# Altium PCB TMC4671-EVAL_V1_1.PcbDoc (part 2 of 2)
Units mil, origin at the board's own origin, x right, y up, seen from the top; angles counter-clockwise.
Board outline 2165.36 x 3346.46 mil, 6 copper layers (Top, GND1, MID, VM, GND2, Bottom), stack 61.733 mil thick; 157 components, 127 nets, 622 pads, 423 vias.
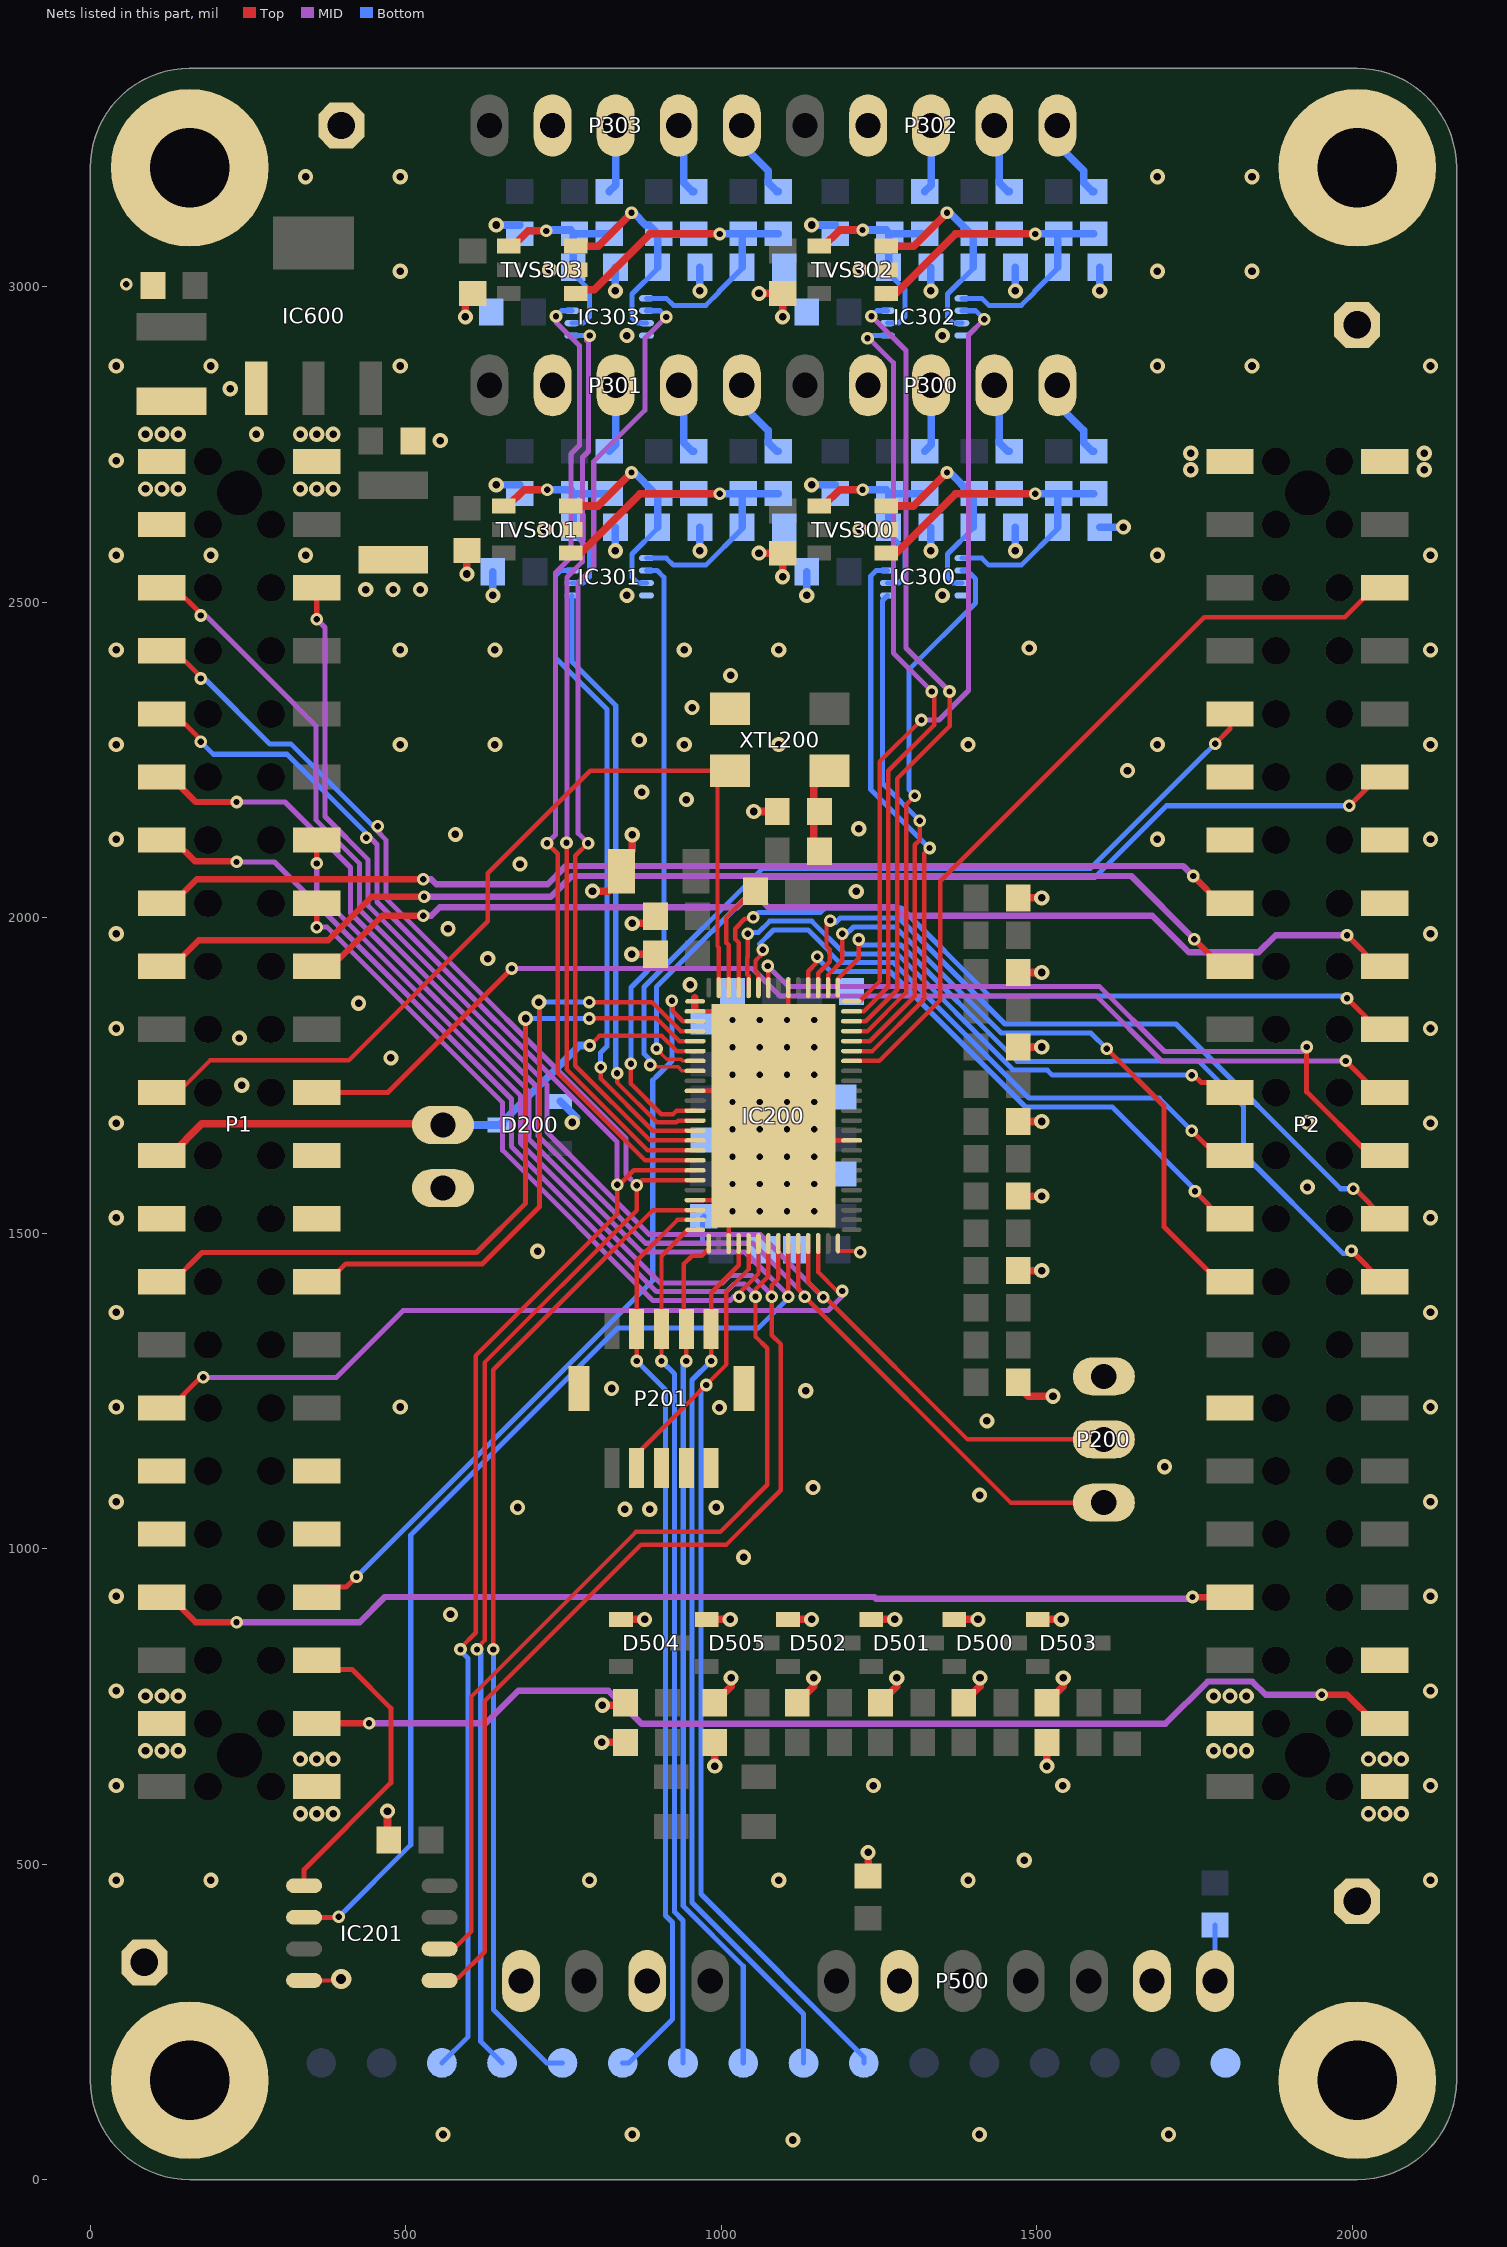
[diagram p6: the nets of this part, all layers, seen from the top]

## Via types
v1: diameter 24, hole 12, Top to Bottom, tented both sides, 171 vias
v2: diameter 20, hole 10, Top to Bottom, tented both sides, 136 vias
v3: diameter 24.1, hole 12, Top to Bottom, tented both sides, 67 vias
v4: diameter 24, hole 10, Top to Bottom, 32 vias
v5: diameter 26, hole 14, Top to Bottom, tented both sides, 7 vias
v6: diameter 32, hole 16, Top to Bottom, tented both sides, 6 vias
v7: diameter 39.37, hole 23.62, Top to Bottom, tented both sides, 2 vias
v8: diameter 50, hole 40, Top to Bottom, tented both sides, 2 vias

## Nets (pads, with @x,y where several pads share a name; then routed paths per layer and width w, separated by ;. In a path a pad name is that pad's centre, name@x,y a point inside that pad or via, vN(x,y) a via of type N, cw(c..) or ccw(c..) an arc to the next point about the centre after c; other vN are vias at no path point) (continued)
BRAKE_OUT: P400.2 R406.1 | length 88.6
  Bottom w8: P400.2@1782.68,314.96 R406.1@1782.68,403.6
CLK25: IC200.51 P1.23 XTL200.3 | length 1499.1
  Top w7.1: P1.23@113.5,1723.23 138.94,1723.23 189.73,1774.01 409.45,1774.01 629.92,1994.49 629.92,2070.52 792.53,2233.13 XTL200.3@986.5,2233.13 ; IC200.51@996.06,1901.99 996.06,1952.75 994.08,1954.74 994.08,2209.55 1001.53,2217 1002.62,2217 XTL200.3@986.5,2233.13 ; XTL200.3@1014.06,2233.13 XTL200.3@1013.82,2233.13 XTL200.3@986.5,2233.13
CS_CH0: IC201.1 P1.6 | length 487.1
  Top w8: IC201.1@339.01,465.94 339.01,491.76 476.38,629.13 476.38,747.24 414.97,808.65 373.52,808.65 P1.6@358.94,823.23
DBG_SPI_MISO: IC200.4 P201.9 TP9.1 | length 1402.5
  Top w7.1: v2(984.06,1297.62) P201.9@984.06,1348.47 984.06,1405.66 1027.56,1449.16 IC200.4@1027.56,1483.74
  Bottom w8: v2(984.06,1297.62) 953.76,1267.32 953.76,439.45 1130.45,262.77 TP9.1@1130.45,185.04
DBG_SPI_MOSI: IC200.1 P201.7 TP8.1 | length 1365.2
  Top w7.1: v2(944.69,1297.62) P201.7@944.69,1348.47 940.75,1352.41 940.75,1451.44 953.96,1464.65 969.38,1464.65 980.31,1475.59 IC200.1@980.31,1483.74
  Bottom w8: v2@939.76,1297.62 939.76,433.66 1034.91,338.51 TP8.1@1034.91,185.04
DBG_SPI_nSCS: IC200.75 P201.3 TP6.1 | length 1458.3
  Top w7.1: v2(865.95,1297.62) P201.3@865.95,1348.47 ; P201.3@869.95,1352.47 P201.3@865.95,1348.47 ; IC200.75@958.66,1521.15 930.55,1521.15 865.95,1456.55 P201.3@865.95,1348.47
  Bottom w8: TP6.1@843.83,185.04 853.26,185.04 922.68,254.45 922.68,407.79 911.76,418.71 911.76,1251.81 v2(865.95,1297.62)
DBG_SPI_SCK: IC200.76 P201.5 TP7.1 | length 1369
  Top w7.1: v2(905.32,1297.62) P201.5@905.32,1348.47 ; P201.5@909.32,1352.47 P201.5@905.32,1348.47 ; IC200.76@958.66,1505.4 947.13,1505.4 905.32,1463.59 P201.5@905.32,1348.47
  Bottom w8: v2(905.32,1297.62) 925.76,1277.18 925.76,424.5 939.37,410.9 TP7.1@939.37,185.04
DBG_SPI_TRG: IC200.5 P201.4 TP10.1 | length 1614.2
  Top w7.1: P201.4@865.95,1127.99 865.95,1149.73 1008.3,1292.08 1008.3,1407.73 1043.31,1442.74 IC200.5@1043.31,1483.74
  Bottom w8: v2(976.06,1259.65) 967.76,1251.36 967.76,452.71 1225.98,194.48 TP10.1@1225.98,185.04
DIO1: P1.9
DIO2: P1.10
DIO3: P1.11
DIO4: P1.12
DIO8: P1.19
DIO9: P1.20
DIO11: P1.22
DRV_ERROR: P2.13
EN_IN: IC200.55 P1.8 | length 1255.7
  Top w7.1: v2(921.85,1868.62) 923.12,1867.35 923.12,1851.98 938.99,1836.11 IC200.55@958.66,1836.11
  Top w8: P1.8@358.94,923.23 374.94,939.23 405.37,939.23 v2(421.85,955.7)
  Bottom w8: v2(421.85,955.7) 891.45,1425.31 891.45,1742.64 899.68,1750.87 921.85,1773.03 v2(921.85,1868.62)
EN_OUT: IC200.32 P2.40 | length 1266
  Top w7.1: IC200.32@1206.69,1773.11 1250.29,1773.11 1346.94,1869.76 1346.94,2057.76 1765.56,2476.38 1988.19,2476.38 2035.04,2523.23 P2.40@2051.85,2523.23
ENC1_A: IC200.35 IC300.2 | length 835.2
  Top w7.1: IC200.35@1219.43,1820.42 1231.82,1820.42 1292.94,1881.54 1292.94,2179.43 1306.85,2193.34 v2(1306.85,2193.62)
  Bottom w8: v2(1306.85,2193.62) 1297.3,2203.16 1297.3,2393.08 1403.31,2499.08 1403.31,2536.89 1394.57,2545.63 1393.65,2545.63 1388.88,2550.39 IC300.2@1381.5,2550.39
ENC1_A_5V: C308.2 IC300.6 R302.1 R312.1 TVS300.4 | length 355.3
  Top w12: TVS300.4@1155.12,2652.76 1162.01,2652.76 1187.59,2678.33 v2(1224.01,2678.33)
  Bottom w8: IC300.6@1263.39,2530.71 1281.1,2530.71 1290.94,2540.55 1290.94,2583.86 1265.35,2609.45 C308.2@1265.35,2619.29
  Bottom w12: v2(1224.01,2678.33) 1261.43,2678.33 R312.1@1267.32,2672.44 ; C308.2@1265.35,2619.29 1265.35,2670.47 R312.1@1267.32,2672.44 ; R302.1@1322.44,2672.44 R312.1@1267.32,2672.44
ENC1_A_IN: P300.3 R302.2 | length 109
  Bottom w12: R302.2@1322.44,2739.37 1332.68,2749.61 P300.3@1332.68,2844.09
ENC1_B: IC200.34 IC300.5 | length 783
  Top w7.1: IC200.34@1219.43,1804.61 1235.6,1804.61 1306.94,1875.95 1306.94,2115.7 1314.49,2123.25 v2(1314.49,2154.02)
  Bottom w8: IC300.5@1263.39,2511.02 1255.43,2503.07 1255.43,2213.08 v2(1314.49,2154.02)
ENC1_B_5V: C312.2 IC300.3 R301.1 R316.1 TVS300.3 | length 405.6
  Top w12: TVS300.3@1261.42,2652.76 1304.73,2652.76 v2(1357.87,2705.89)
  Bottom w8: IC300.3@1381.5,2530.71 1367.72,2530.71 1358.68,2539.74 1358.68,2576.8 C312.2@1399.21,2617.32
  Bottom w12: v2(1357.87,2705.89) 1361.8,2705.89 1395.26,2672.44 R316.1@1401.18,2672.44 ; C312.2@1399.21,2619.29 1399.21,2670.47 R316.1@1401.18,2672.44 ; R301.1@1456.3,2672.44 R316.1@1401.18,2672.44
ENC1_B_IN: P300.2 R301.2 | length 115.7
  Bottom w12: P300.2@1432.68,2844.09 1440.65,2836.13 1440.65,2753.06 1454.33,2739.37 R301.2@1456.3,2739.37
ENC1_N: IC200.33 IC300.7 | length 879.6
  Top w7.1: IC200.33@1219.43,1788.86 1239.65,1788.86 1321.85,1871.05 1321.85,2102.32 v2(1330.24,2110.72)
  Bottom w8: IC300.7@1263.39,2550.39 1245.67,2550.39 1236.98,2541.71 1236.98,2203.24 1329.51,2110.72 v2(1330.24,2110.72)
ENC1_N_5V: C316.2 IC300.1 R300.1 R320.1 TVS300.1 | length 604.3
  Top w12: TVS300.1@1261.42,2577.95 1277.17,2577.95 1371.31,2672.09 v2(1497.68,2672.09)
  Bottom w8: IC300.1@1381.5,2570.08 1413,2570.08 1424.18,2558.89 1475.67,2558.89 1533.07,2616.29 C316.2@1533.07,2619.29
  Bottom w12: v2(1497.68,2672.09) R320.1@1534.69,2672.09 ; C316.2@1533.07,2619.29 1533.07,2670.47 R320.1@1534.69,2672.09 ; R300.1@1590.16,2672.44 R320.1@1535.04,2672.44 R320.1@1534.69,2672.09
ENC1_N_IN: P300.1 R300.2 | length 129.7
  Bottom w12: P300.1@1532.68,2844.09 1532.68,2814.09 1574.41,2772.36 1574.41,2753.15 1588.19,2739.37 R300.2@1590.16,2739.37
ENC2_A: IC200.64 IC301.2 | length 980.4
  Top w7.1: v2(856.85,1768.62) 856.85,1736.98 905.06,1688.76 923.55,1688.76 929.16,1694.37 IC200.64@958.66,1694.37
  Bottom w8: v2(856.85,1768.62) 856.85,1889.52 908.98,1941.65 908.98,2539.85 898.43,2550.39 IC301.2@881.5,2550.39
ENC2_A_5V: C309.2 IC301.6 R305.1 R313.1 TVS301.4 | length 355.3
  Top w12: TVS301.4@655.12,2652.76 662.01,2652.76 687.59,2678.33 v2(724.01,2678.33)
  Bottom w8: IC301.6@763.39,2530.71 781.1,2530.71 790.94,2540.55 790.94,2583.86 765.35,2609.45 C309.2@765.35,2619.29
  Bottom w12: v2(724.01,2678.33) 761.43,2678.33 R313.1@767.32,2672.44 ; C309.2@765.35,2619.29 765.35,2670.47 R313.1@767.32,2672.44 ; R305.1@822.44,2672.44 R313.1@767.32,2672.44
ENC2_A_IN: P301.3 R305.2 | length 109
  Bottom w12: R305.2@822.44,2739.37 832.68,2749.61 P301.3@832.68,2844.09
ENC2_B: IC200.65 IC301.5 | length 952.8
  Top w7.1: v2(834.94,1753.76) 834.94,1739.08 898.36,1675.66 928.97,1675.66 931.93,1678.61 IC200.65@958.66,1678.63
  Bottom w8: IC301.5@763.39,2511.02 763.39,2405.88 832.85,2336.42 832.85,1755.85 v2(834.94,1753.76)
ENC2_B_5V: C313.2 IC301.3 R304.1 R317.1 TVS301.3 | length 405.6
  Top w12: TVS301.3@761.42,2652.76 804.73,2652.76 v2(857.87,2705.89)
  Bottom w8: IC301.3@881.5,2530.71 867.72,2530.71 858.68,2539.74 858.68,2576.8 C313.2@899.21,2617.32
  Bottom w12: v2(857.87,2705.89) 861.8,2705.89 895.26,2672.44 R317.1@901.18,2672.44 ; C313.2@899.21,2619.29 899.21,2670.47 R317.1@901.18,2672.44 ; R304.1@956.3,2672.44 R317.1@901.18,2672.44
ENC2_B_IN: P301.2 R304.2 | length 115.7
  Bottom w12: P301.2@932.68,2844.09 940.65,2836.13 940.65,2753.06 954.33,2739.37 R304.2@956.3,2739.37
ENC2_N: IC200.66 IC301.7 | length 1048.6
  Top w7.1: v2(808.94,1763.23) 808.94,1745.28 891.66,1662.56 934.4,1662.56 934.65,1662.82 IC200.66@958.66,1662.88 IC200.66@958.66,1662.88
  Bottom w8: IC301.7@763.39,2550.39 745.67,2550.39 736.98,2541.71 736.98,2412.48 818.85,2330.62 818.85,1796.34 808.94,1786.43 v2(808.94,1763.23)
ENC2_N_5V: C317.2 IC301.1 R303.1 R321.1 TVS301.1 | length 604.3
  Top w12: TVS301.1@761.42,2577.95 777.17,2577.95 871.31,2672.09 v2(997.68,2672.09)
  Bottom w8: IC301.1@881.5,2570.08 913,2570.08 924.18,2558.89 975.67,2558.89 1033.07,2616.29 C317.2@1033.07,2619.29
  Bottom w12: v2(997.68,2672.09) R321.1@1034.69,2672.09 ; C317.2@1033.07,2619.29 1033.07,2670.47 R321.1@1034.69,2672.09 ; R303.1@1090.16,2672.44 R321.1@1035.04,2672.44 R321.1@1034.69,2672.09
ENC2_N_IN: P301.1 R303.2 | length 129.7
  Bottom w12: P301.1@1032.68,2844.09 1032.68,2814.09 1074.41,2772.36 1074.41,2753.15 1088.19,2739.37 R303.2@1090.16,2739.37
EXT_REF: P2.6
GND: C200.2 C201.1 C300.1 C301.1 C302.1 C303.1 C304.2 C305.2 C306.2 C307.2 C308.1 C309.1 C310.1 C311.1 C312.1 C313.1 C314.1 C315.1 C316.1 C317.1 C318.1 C319.1 C320.1 C321.1 C322.1 C323.1 C500.1 C501.1 C502.1 C503.1 C504.1 C505.1 C506.1 C507.1 C508.1 C600.1 C601.1 C602.1 C603.1 C604.1 C605.1 C606.1 C607.1 C608.1 C609.1 C610.1 C611.1 C612.1 C613.1 C614.2 C615.1 D200.1 D500.1 D501.1 D502.1 D503.1 D504.1 D505.1 IC200.3 IC200.14 IC200.24 IC200.44 IC200.53 IC200.54 IC200.62 IC200.73 IC200.77 IC201.4 IC300.4 IC301.4 IC302.4 IC303.4 IC600.1 MNT1.1 MNT2.1 MNT3.1 MNT4.1 P1.2 P1.3 P1.43 P1.44 P2.2 P2.3 P2.43 P2.44 P200.1 P201.6 P201.8 P201.10 P201.11 P201.12 P202.2 P300.4 P301.4 P302.4 P303.4 P400.1 P500.4 P501.2 P502.2 PIN1.1 PIN2.1 PIN3.1 PIN4.1 R401.1 R403.1 R405.1 R408.1 R410.1 R507.2 R508.2 R509.2 TP14.1 TVS300.2 TVS301.2 TVS302.2 TVS303.2 XTL200.2 | length 3304.7
  Top w6: IC201.4@339.01,315.94 395.47,315.94 v6(397.64,318.11) ; IC200.77@988.25,1851.85 1082.68,1757.43 IC200.77@1082.68,1686.5 1122.05,1647.13 IC200.77@1178.1,1591.08 ; IC200.14@1185.04,1483.74 1185.04,1472.04 1220.57,1472.04 v2(1220.57,1470) v2@1220,1470
  Top w7.1: IC200.73@958.66,1552.64 IC200.77@988.25,1552.64 ; IC200.54@958.66,1851.85 IC200.77@988.25,1851.85 ; IC200.62@971.39,1725.87 IC200.77@1043.31,1725.87 ; IC200.3@1011.81,1483.74 IC200.77@1011.81,1615.63 ; IC200.77@1106.3,1710.12 IC200.44@1106.3,1889.26 ; IC200.77@1122.05,1647.13 IC200.24@1206.69,1647.13
  Top w8: IC200.77@988.25,1552.64 1011.81,1576.2 IC200.77@1011.81,1584.14 ; IC200.77@1011.81,1615.63 v4(1017.72,1621.54) v4(1061.02,1664.85) IC200.77@1082.68,1686.5 ; IC200.77@1043.31,1725.87 IC200.77@1082.68,1686.5 ; v4(1104.33,1708.15) IC200.77@1082.68,1686.5
  Top w11.81: IC200.54@957.8,1855.21 957.8,1873.2
  Top w12: v1(471.08,584.11) 471.08,540.32 C201.1@473.05,538.36 ; v1(594.49,2952.36) C307.2@594.49,2989.76 ; v1(596.94,2544.9) C305.2@596.94,2582.3 ; v1(795.95,2042.41) C612.1@821.5,2042.41 ; v1(810.63,693.04) R507.2@848.03,693.04 ; v1(811.7,751.97) 843.97,751.97 C506.1@848.03,756.03 ; D504.1@841.14,888.09 v1(878.54,888.09) ; v1(858.24,1942.37) C613.1@895.64,1942.37 ; v1(858.94,1991.23) 884.49,1991.23 C614.2@895.64,2002.37 ; C612.1@858.95,2106.06 v1(858.95,2131.61) ; D505.1@976.97,888.09 v1(1014.37,888.09) ; v1(989.76,655.64) R508.2@989.76,693.04 ; C507.1@989.76,756.03 1015.55,781.82 v1(1015.55,795.28) ; v1(1051.46,2168.52) C200.2@1088.86,2168.52 ; v1(1059.84,2577.95) C304.2@1097.24,2577.95 v1(1097.24,2540.55) ; v1(1059.84,2989.76) C306.2@1097.24,2989.76 v1(1097.24,2952.36) ; D502.1@1105.79,888.09 v1(1143.19,888.09) ; C505.1@1120.55,756.03 1146.34,781.82 v1(1146.34,795.28) ; C500.1@1232.68,481.42 v1(1232.68,518.83) ; D501.1@1237.68,888.09 v1(1275.08,888.09) ; C504.1@1252.44,756.03 1278.23,781.82 v1(1278.23,795.28) ; D500.1@1369.57,888.09 v1(1406.97,888.09) ; C503.1@1384.33,756.03 1410.12,781.82 v1(1410.12,795.28) ; C501.1@1470.63,1263.78 1467.47,1260.62 1486.47,1241.62 v1(1525.85,1241.62) ; R410.1@1470.63,1440.95 v1(1508.03,1440.95) ; C502.1@1470.63,1559.06 v1(1508.03,1559.06) ; R408.1@1470.63,1677.16 v1(1508.03,1677.16) ; R405.1@1470.63,1795.28 v1(1508.03,1795.28) ; R403.1@1470.63,1913.39 v1(1508.03,1913.39) ; R401.1@1470.63,2031.49 v1(1508.03,2031.49) ; D503.1@1501.46,888.09 v1(1538.86,888.09) ; v1(1516.22,655.64) R509.2@1516.22,693.04 ; C508.1@1516.22,756.03 1542.01,781.82 v1(1542.01,795.28)
  Bottom w8: 970,1485 970,1524.61 C610.1@972.44,1527.05
  Bottom w12: v1(637.99,2511.02) C321.1@637.99,2548.43 ; v1(643.31,2686.22) C301.1@680.71,2686.22 ; v1(643.31,3098.03) C303.1@680.71,3098.03 ; D200.1@745.08,1709.05 770.67,1683.46 763.78,1676.57 v1(763.78,1675.59) ; v1(832.28,2581.89) C309.1@832.28,2619.29 ; v1(832.28,2993.7) C311.1@832.28,3031.1 ; v1(966.14,2581.89) C313.1@966.14,2619.29 ; v1(966.14,2993.7) C315.1@966.14,3031.1 ; v1(1135.43,2511.02) C320.1@1135.43,2548.43 ; v1(1143.31,2686.22) C300.1@1180.71,2686.22 ; v1(1143.31,3098.03) C302.1@1180.71,3098.03 ; v1(1332.28,2581.89) C308.1@1332.28,2619.29 ; v1(1332.28,2993.7) C310.1@1332.28,3031.1 ; v1(1466.14,2581.89) C312.1@1466.14,2619.29 ; v1(1466.14,2993.7) C314.1@1466.14,3031.1 ; C316.1@1600,2619.29 v1(1637.4,2619.29) ; v1(1600,2993.7) C318.1@1600,3031.1
  other v1: 559.06,71.65 859.06,71.65 1409.06,71.65 1709.06,71.65 1480.31,506.3 332.96,579.92 358.94,579.92 384.92,579.92 2025.87,579.92 2051.85,579.92 2077.84,579.92 332.96,666.54 358.94,666.54 384.92,666.54 2025.87,666.54 2051.85,666.54 2077.84,666.54 87.52,679.92 113.5,679.92 139.48,679.92 1780.43,679.92 1806.41,679.92 1832.4,679.92 87.52,766.54 113.5,766.54 139.48,766.54 1780.43,766.54 1806.41,766.54 1832.4,766.54 570.87,896.06 1035.43,986.61 847.39,1062.62 886.76,1062.62 677.17,1065.35 992.06,1065.65 1409.45,1085.04 1145.67,1096.85 1421.06,1202.65 997.06,1223.65 1133.86,1250.39 826.23,1253.98 709.06,1471.65 1929.13,1573.23 1929.13,1675.59 240.16,1734.64 476.38,1777.95 236.22,1809.45 425.2,1864.57 950.63,1893.89 629.92,1935.43 566.93,1982.68 1213.94,2041.89 681.1,2085.04 578.74,2132.28 1217.94,2141.23 944.88,2187.4 874.02,2199.21 1643.94,2233.23 870.08,2281.89 953.94,2333.23 1014.94,2384.23 1488.19,2427.56 850.5,2510.96 1350.5,2510.96 436.54,2520.16 479.84,2520.16 523.15,2520.16 719.76,2615.42 1219.76,2615.42 87.52,2679.92 113.5,2679.92 139.48,2679.92 332.96,2679.92 358.94,2679.92 384.92,2679.92 1744.09,2710.24 2114.17,2710.24 1744.09,2736.22 2114.17,2736.22 554.65,2756.38 87.52,2766.54 113.5,2766.54 139.48,2766.54 263.31,2766.54 332.96,2766.54 358.94,2766.54 384.92,2766.54 221.85,2838.62 850.5,2922.77 1350.5,2922.77 727.63,3027.23 1219.76,3027.23
  other v2: 56.94,3004.23
  other v3: 1113.68,62.96 41.23,474.64 191.23,474.64 791.23,474.64 1091.23,474.64 1391.23,474.64 2124.12,474.64 41.23,624.64 1241.23,624.64 1541.23,624.64 2124.12,624.64 41.23,774.64 2124.12,774.64 41.23,924.64 2124.12,924.64 41.23,1074.64 2124.12,1074.64 1702.68,1129.96 41.23,1224.64 491.23,1224.64 2124.12,1224.64 41.23,1374.64 2124.12,1374.64 41.23,1524.64 2124.12,1524.64 41.23,1674.64 2124.12,1674.64 41.23,1824.64 2124.12,1824.64 41.23,1974.64 2124.12,1974.64 41.23,2124.64 1691.23,2124.64 2124.12,2124.64 41.23,2274.64 491.23,2274.64 641.23,2274.64 941.23,2274.64 1091.23,2274.64 1391.23,2274.64 1691.23,2274.64 2124.12,2274.64 41.23,2424.64 491.23,2424.64 641.23,2424.64 941.23,2424.64 1091.23,2424.64 2124.12,2424.64 41.23,2574.64 191.23,2574.64 341.23,2574.64 1691.23,2574.64 2124.12,2574.64 41.23,2724.64 41.23,2874.64 191.23,2874.64 491.23,2874.64 1691.23,2874.64 1841.23,2874.64 2124.12,2874.64 491.23,3024.64 1691.23,3024.64 1841.23,3024.64 341.23,3174.64 491.23,3174.64 1691.23,3174.64 1841.23,3174.64
  other v4: 1017.72,1534.93 1061.02,1534.93 1104.33,1534.93 1147.64,1534.93 1017.72,1578.23 1061.02,1578.23 1104.33,1578.23 1147.64,1578.23 1061.02,1621.54 1104.33,1621.54 1147.64,1621.54 1017.72,1664.85 1104.33,1664.85 1147.64,1664.85 1017.72,1708.15 1061.02,1708.15 1147.64,1708.15 1017.72,1751.46 1061.02,1751.46 1104.33,1751.46 1147.64,1751.46 1017.72,1794.77 1061.02,1794.77 1104.33,1794.77 1147.64,1794.77 1017.72,1838.08 1061.02,1838.08 1104.33,1838.08 1147.64,1838.08
GPIO0: IC200.70 P1.35 TP3.1 | length 2779.4
  Top w7.1: v2(586.85,840.46) 586.85,842.74 610.85,866.74 610.85,1306.26 835.07,1530.48 v2(835.07,1577.16) 838.59,1577.16 861.31,1599.89 IC200.70@958.66,1599.89
  Top w8: P1.35@113.5,2323.23 133.94,2323.23 174.94,2282.23 v2(174.94,2279.23)
  MID w8: v2(437.16,2126.76) 443.95,2126.76 454.5,2116.2 454.5,2025.1 835.07,1644.53 v2(835.07,1577.16)
  Bottom w8: v2(174.94,2279.23) 194.94,2259.23 311.76,2259.23 437.16,2133.83 v2(437.16,2126.76) ; TP3.1@557.22,185.04 598.85,226.67 598.85,826.11 ; v2(586.85,840.46) 586.85,838.17 598.85,826.17
GPIO1: IC200.71 P1.37 TP4.1 | length 2806.4
  Top w7.1: v2(612.85,840.46) 612.85,842.74 624.85,854.74 624.85,1295.13 865.94,1536.23 v2(865.94,1576.23) 873.85,1584.14 IC200.71@958.66,1584.14
  Top w8: P1.37@113.5,2423.23 133.94,2423.23 174.94,2382.23 v2(174.94,2379.23)
  MID w8: v2(455.54,2145.14) 455.54,2136.66 468.5,2123.7 468.5,2030.9 849.07,1650.33 849.07,1593.1 v2(865.94,1576.23)
  Bottom w8: v2(174.94,2379.23) 180.94,2379.23 284.94,2275.23 318.39,2275.23 448.47,2145.14 v2(455.54,2145.14) ; v2(612.85,840.46) 618.85,834.46 618.85,218.95 TP4.1@652.76,185.04
GPIO2: IC200.74 TP5.1 | length 1583.4
  Top w7.1: v2(638.85,840.46) 638.85,1283.91 775.56,1420.62 891.83,1536.89 IC200.74@958.66,1536.89
  Bottom w8: v2(638.85,840.46) 638.85,269.62 723.43,185.04 TP5.1@748.29,185.04
GPIO3: P1.41
HALL_UX: IC200.38 IC302.2 | length 1220
  Top w7.1: IC200.38@1219.43,1867.67 1250.94,1899.18 1250.94,2247.26 v2(1317.3,2313.62)
  MID w8: v2(1317.3,2313.62) 1345.13,2313.62 1391.85,2360.34 1391.85,2923.62 v2(1416.85,2948.62)
  Bottom w8: IC302.2@1381.5,2962.21 1403.26,2962.21 v2(1416.85,2948.62)
HALL_UX_5V: C310.2 IC302.6 R308.1 R314.1 TVS302.4 | length 355.3
  Top w12: TVS302.4@1155.12,3064.57 1162.01,3064.57 1187.59,3090.14 v2(1224.01,3090.14)
  Bottom w8: IC302.6@1263.39,2942.52 1281.1,2942.52 1290.94,2952.36 1290.94,2995.67 1265.35,3021.26 C310.2@1265.35,3031.1
  Bottom w12: v2(1224.01,3090.14) 1261.43,3090.14 R314.1@1267.32,3084.25 ; C310.2@1265.35,3031.1 1265.35,3082.28 R314.1@1267.32,3084.25 ; R308.1@1322.44,3084.25 R314.1@1267.32,3084.25
HALL_UX_IN: P302.3 R308.2 | length 109
  Bottom w12: R308.2@1322.44,3151.18 1332.68,3161.42 P302.3@1332.68,3255.91
HALL_V: IC200.37 IC302.5 | length 1206
  Top w7.1: IC200.37@1219.43,1851.92 1226.27,1851.92 1264.94,1890.59 1264.94,2232.97 1337.3,2305.34 1337.3,2354.88 v2(1333.56,2358.62)
  MID w8: v2(1231.85,2918.62) 1233.93,2918.62 1272.68,2879.88 1272.68,2419.84 1329.66,2362.86 1337.8,2362.86 v2(1333.56,2358.62)
  Bottom w8: v2(1231.85,2918.62) 1236.06,2922.84 IC302.5@1263.39,2922.84
HALL_V_5V: C314.2 IC302.3 R307.1 R318.1 TVS302.3 | length 405.6
  Top w12: TVS302.3@1261.42,3064.57 1304.73,3064.57 v2(1357.87,3117.7)
  Bottom w8: IC302.3@1381.5,2942.52 1367.72,2942.52 1358.68,2951.55 1358.68,2988.61 C314.2@1399.21,3029.13
  Bottom w12: v2(1357.87,3117.7) 1361.8,3117.7 1395.26,3084.25 R318.1@1401.18,3084.25 ; C314.2@1399.21,3031.1 1399.21,3082.28 R318.1@1401.18,3084.25 ; R307.1@1456.3,3084.25 R318.1@1401.18,3084.25
HALL_V_IN: P302.2 R307.2 | length 115.7
  Bottom w12: P302.2@1432.68,3255.91 1440.65,3247.94 1440.65,3164.87 1454.33,3151.18 R307.2@1456.3,3151.18
HALL_WY: IC200.36 IC302.7 | length 1262.3
  Top w7.1: IC200.36@1219.43,1836.17 1229.05,1836.17 1278.94,1886.06 1278.94,2220.72 1361.85,2303.62 v2(1361.85,2358.62)
  MID w8: v2(1238.05,2953.66) 1292.68,2899.03 1292.68,2427.79 v2(1361.85,2358.62)
  Bottom w8: v2(1238.05,2953.66) 1246.6,2962.21 IC302.7@1263.39,2962.21
HALL_WY_5V: C318.2 IC302.1 R306.1 R322.1 TVS302.1 | length 604.3
  Top w12: TVS302.1@1261.42,2989.76 1277.17,2989.76 1371.31,3083.91 v2(1497.68,3083.91)
  Bottom w8: IC302.1@1381.5,2981.89 1413,2981.89 1424.18,2970.7 1475.67,2970.7 1496.53,2991.56 1496.53,2992.59 1533.07,3029.13 C318.2@1533.07,3031.1
  Bottom w12: v2(1497.68,3083.91) R322.1@1534.69,3083.91 ; C318.2@1533.07,3031.1 1533.07,3082.28 R322.1@1534.69,3083.91 ; R306.1@1590.16,3084.25 R322.1@1535.04,3084.25 R322.1@1534.69,3083.91
HALL_WY_IN: P302.1 R306.2 | length 129.7
  Bottom w12: P302.1@1532.68,3255.91 1532.68,3225.91 1574.41,3184.17 1574.41,3164.96 1588.19,3151.18 R306.2@1590.16,3151.18
ID_CH1: P1.7 P2.7 | length 1728.5
  Top w10: P1.7@113.5,923.23 127.24,923.23 166.85,883.62 v2(231.85,883.62) ; v2(1746.85,923.62) 1747.24,923.23 P2.7@1806.41,923.23
  MID w10: v2(231.85,883.62) 426.85,883.62 466.85,923.62 1242.39,923.62 1245.36,920.65 1743.88,920.65 v2(1746.85,923.62)
ID_CLK: P1.4 P2.4 | length 1791.2
  Top w10: P1.4@358.94,723.23 441.45,723.23 v2(441.85,723.62) ; v2(1951.85,768.62) 1991.85,768.62 2037.24,723.23 P2.4@2051.85,723.23
  MID w10: v2(441.85,723.62) 627.01,723.62 678.36,774.97 821.22,774.97 873.57,722.62 1703.99,722.62 1770.9,789.54 1841.92,789.54 1862.84,768.62 v2(1951.85,768.62)
NetC200_1: C200.1 L200.2 XTL200.4 | length 138
  Top w12: L200.2@1146.3,2105.53 1146.3,2207.89 XTL200.4@1171.54,2233.13
nRST: IC200.50 R200.1 | length 159.4
  Top w7.1: IC200.50@1011.81,1889.26 1011.81,1956.8 1008.08,1960.54 1008.08,2000.6 R200.1@1040.94,2033.46
PWM_H_IDLE: IC200.59 P2.34 | length 1459.8
  Top w6: v2(897.54,1792.79) 897.54,1792.12 897.63,1792.02 897.5,1791.89 913.53,1775.86 936.24,1775.86 938.62,1773.47 958.3,1773.47 IC200.59@958.66,1773.11
  Top w8: v2(1995.59,2177.64) 2041.18,2223.23 P2.34@2051.85,2223.23
  Bottom w8: v2(897.54,1792.79) 897.54,1890.61 1070.81,2063.89 1592.03,2063.89 1705.78,2177.64 v2(1995.59,2177.64)
PWM_IN: D200.3 IC200.58 P1.21 P202.1 | length 942.1
  Top w7.1: v2(791.85,1797.62) 807.02,1812.79 905.82,1812.79 929.75,1788.86 IC200.58@958.66,1788.86
  Top w12: P1.21@113.5,1623.23 126.45,1623.23 176.85,1673.62 557.09,1673.62 P202.1@559.06,1671.65
  Bottom w8: D200.3@648.62,1671.65 D200.3@655.51,1671.65
  Bottom w12: P202.1@559.06,1671.65 D200.3@648.62,1671.65 774.59,1797.62 v2(791.85,1797.62)
PWM_L_IDLE: IC200.60 P2.35 | length 1341.3
  Top w6: v2(887.32,1766.79) 888.9,1768.37 888.9,1773.62 898.66,1763.86 931.26,1763.86 937.4,1757.72 958.3,1757.72 IC200.60@958.66,1757.37
  Top w8: v2(1782.99,2276.07) 1806.41,2299.49 P2.35@1806.41,2323.23
  Bottom w8: v2(887.32,1766.79) 891.67,1766.79 893.46,1768.59 877.54,1784.51 877.54,1890.41 1065.6,2078.47 1585.39,2078.47 1758.62,2251.7 v2(1782.99,2276.07)
PWM_UX1_H: IC200.39 P2.18 | length 1202.5
  Top w7.1: IC200.39@1185.04,1889.26 1185.04,1903.33 1217.85,1936.13 v2(1217.85,1965.62)
  Top w8: v2(1998.85,1472.62) 2048.24,1423.23 P2.18@2051.85,1423.23
  Bottom w8: v2(1217.85,1965.62) 1217.85,1957.62 1218.46,1957 1284.77,1957 1469.15,1772.62 1619.13,1772.62 1619.78,1773.28 1756.19,1773.28 1827.85,1701.62 1827.85,1625.62 1985.85,1467.62 1993.85,1467.62 v2(1998.85,1472.62)
PWM_UX1_L: IC200.40 P2.17 | length 1064.1
  Top w7.1: IC200.40@1169.29,1889.26 1169.29,1909.41 1191.85,1931.96 v2(1191.85,1974.69)
  Top w8: v2(1610.85,1792.62) 1701.85,1701.62 1701.85,1510.3 1788.91,1423.23 P2.17@1806.41,1423.23
  Bottom w8: v2(1191.85,1974.69) 1191.85,1971.62 1192.85,1970.62 1194.56,1970.62 1209.56,1985.62 1275.95,1985.62 1443.95,1817.62 1585.85,1817.62 v2(1610.85,1792.62)
PWM_VX2_H: IC200.41 P2.20 | length 1199.1
  Top w7.1: IC200.41@1153.54,1889.26 1153.54,1912.18 1171.94,1930.58 1171.94,1949.81 1166.85,1954.91 1166.85,1989.62 v2(1172.85,1995.62)
  Top w8: v2(2001.85,1570.62) 2004.46,1570.62 P2.20@2051.85,1523.23
  Bottom w8: v2(1172.85,1995.62) 1175.85,1992.62 1181.49,1992.62 1188.49,1999.62 1281.75,1999.62 1449.75,1831.62 1720.85,1831.62 1981.85,1570.62 v2(2001.85,1570.62)
PWM_VX2_L: IC200.42 P2.19 | length 884
  Top w7.1: IC200.42@1137.8,1889.26 1137.8,1915.48 1152.3,1929.99 1152.3,1937.87 v2(1151.94,1938.23)
  Top w8: v2(1750.85,1566.62) 1794.24,1523.23 P2.19@1806.41,1523.23
  Bottom w8: v2(1151.94,1938.23) 1151.94,1936.56 1173.49,1915 1267.37,1915 1482.15,1700.22 1619.85,1700.22 1750.85,1569.22 v2(1750.85,1566.62)
PWM_WY1_H: IC200.46 P2.22 | length 1184.6
  Top w7.1: v2(1073.85,1923.62) 1073.85,1915.15 1074.8,1914.2 IC200.46@1074.8,1889.26
  Top w8: v2(1927.94,1795.23) 1927.94,1724.23 2028.94,1623.23 P2.22@2051.85,1623.23
  MID w8: v2(1073.85,1923.62) 1106.08,1891.39 1599.3,1891.39 1702.46,1788.23 1920.94,1788.23 v2(1927.94,1795.23)
PWM_WY1_L: IC200.47 P2.21 | length 982.1
  Top w7.1: IC200.47@1059.06,1889.26 1058.99,1889.32 1058.99,1910.83 1054.3,1915.52 1054.3,1931.72 1055.18,1932.6 1055.18,1933.24 1066.02,1944.09 v2(1066.02,1949.62)
  Top w8: v2(1745.85,1662.62) 1785.24,1623.23 P2.21@1806.41,1623.23
  Bottom w8: v2(1066.02,1949.62) 1066.02,1953.56 1060.85,1958.73 1082.73,1980.62 1137.83,1980.62 1171.94,1946.51 1171.94,1944.84 1187.78,1929 1273.17,1929 1487.95,1714.22 1694.25,1714.22 v2(1745.85,1662.62)
PWM_Y2_H: IC200.48 P2.23 | length 971.6
  Top w7.1: v2(1042.08,1974.62) 1042.08,1938.03 1041.2,1937.15 1041.2,1910.1 1043.31,1907.99 IC200.48@1043.31,1889.26
  Top w8: v2(1745.85,1750.62) 1749.09,1750.62 1760.49,1739.23 1790.41,1739.23 P2.23@1806.41,1723.23
  Bottom w8: v2(1042.08,1974.62) 1044.37,1976.92 1059.23,1976.92 1076.93,1994.62 1143.63,1994.62 1195.25,1943 1278.97,1943 1463.35,1758.62 1516.74,1758.62 1524.74,1750.62 v2(1745.85,1750.62)
PWM_Y2_L: IC200.49 P2.26 | length 1218.9
  Top w7.1: IC200.49@1027.56,1889.26 1027.56,1960.85 1022.08,1966.34 1022.08,1982.91 1037.5,1998.33 1048.55,1998.33 v2(1050.85,2000.62)
  Top w8: v2(1991.85,1872.62) 2041.24,1823.23 P2.26@2051.85,1823.23
  Bottom w8: v2(1050.85,2000.62) 1058.85,2008.62 1157.56,2008.62 1164.56,2015.62 1285.55,2015.62 1424.84,1876.33 1988.14,1876.33 v2(1991.85,1872.62)
REF_H: IC200.68 IC303.5 | length 1465.8
  Top w7.1: v2(754.85,2119.23) 754.85,1759.78 883.31,1631.31 IC200.68@958.66,1631.38 IC200.68@958.66,1631.38
  MID w8: v2(754.85,2119.23) 755.23,2119.61 755.23,2539.47 779.94,2564.18 779.94,2729.67 789.5,2739.23 789.5,2912.47 786.68,2915.29 786.68,2917.97 v2(791.55,2922.84)
  Bottom w8: IC303.5@763.39,2922.84 v2(791.55,2922.84)
REF_H_5V: C311.2 IC303.6 R311.1 R315.1 TVS303.4 | length 347.4
  Top w12: TVS303.4@662.99,3064.57 669.88,3064.57 694.01,3088.7 v2(722.56,3088.7)
  Bottom w8: IC303.6@763.39,2942.52 781.1,2942.52 790.94,2952.36 790.94,2995.67 765.35,3021.26 C311.2@765.35,3031.1
  Bottom w12: v2(722.56,3088.7) 724.01,3090.14 761.43,3090.14 R315.1@767.32,3084.25 ; C311.2@765.35,3031.1 765.35,3082.28 R315.1@767.32,3084.25 ; R311.1@822.44,3084.25 R315.1@767.32,3084.25
REF_H_IN: P303.2 R310.2 | length 115.7
  Bottom w12: P303.2@932.68,3255.91 940.65,3247.94 940.65,3164.87 954.33,3151.18 R310.2@956.3,3151.18
REF_L: IC200.67 IC303.2 | length 1533.8
  Top w7.1: v2(788.94,2118.32) 768.85,2098.23 768.85,1765.58 887.29,1647.13 IC200.67@958.66,1647.13
  MID w8: v2(788.94,2118.32) 773.23,2134.03 773.23,2532.02 797.94,2556.73 797.94,2723.47 878.94,2804.47 878.94,2918.23 v2(912.94,2952.23)
  Bottom w8: IC303.2@881.5,2962.21 902.96,2962.21 v2(912.94,2952.23)
REF_L_5V: C315.2 IC303.3 R310.1 R319.1 TVS303.3 | length 397.7
  Top w12: TVS303.3@769.29,3064.57 804.73,3064.57 v2(857.87,3117.7) v2@861.8,3116.66
  Bottom w8: IC303.3@881.5,2942.52 867.72,2942.52 858.68,2951.55 858.68,2988.61 899.21,3029.13 C315.2@899.21,3031.1
  Bottom w12: v2@861.8,3117.7 861.8,3116.66 880.53,3097.94 885.53,3097.94 895.26,3088.21 895.26,3084.25 899.21,3080.3 C315.2@899.21,3031.1 ; R319.1@901.18,3084.25 R310.1@956.3,3084.25
REF_L_IN: P303.3 R311.2 | length 109
  Bottom w12: R311.2@822.44,3151.18 832.68,3161.42 P303.3@832.68,3255.91
REF_R: IC200.69 IC303.7 | length 1547.5
  Top w7.1: v2(723.94,2118.32) 740.85,2101.42 740.85,1753.98 879.19,1615.63 IC200.69@958.66,1615.63
  MID w8: v2(723.94,2118.32) 737.23,2131.61 737.23,2546.93 761.94,2571.64 761.94,2735.47 775.5,2749.02 775.5,2906.67 738.05,2944.12 v2(738.05,2953.66)
  Bottom w8: v2(738.05,2953.66) 746.6,2962.21 IC303.7@763.39,2962.21
REF_R_5V: C319.2 IC303.1 R309.1 R323.1 TVS303.1 | length 596.5
  Top w12: TVS303.1@769.29,2989.76 775.1,2995.58 798.8,2995.58 887.13,3083.91 v2(997.68,3083.91)
  Bottom w8: IC303.1@881.5,2981.89 913,2981.89 924.18,2970.7 975.67,2970.7 996.53,2991.56 996.53,2992.59 1033.07,3029.13 C319.2@1033.07,3031.1
  Bottom w12: v2(997.68,3083.91) R323.1@1034.69,3083.91 ; C319.2@1033.07,3031.1 1033.07,3082.28 R323.1@1034.69,3083.91 ; R309.1@1090.16,3084.25 R323.1@1035.04,3084.25 R323.1@1034.69,3083.91
REF_R_IN: P303.1 R309.2 | length 129.7
  Bottom w12: P303.1@1032.68,3255.91 1032.68,3225.91 1074.41,3184.17 1074.41,3164.96 1088.19,3151.18 R309.2@1090.16,3151.18
SD_DIR: IC200.56 P1.18 | length 993.9
  Top w7.1: v2(791.06,1866.46) 890.12,1866.46 936.15,1820.42 958.6,1820.42 IC200.56@958.66,1820.36
  Top w8: P1.18@358.94,1423.23 376.63,1423.23 405.06,1451.65 621.65,1451.65 712.06,1542.06 712.06,1865.46 v1(711.06,1866.46)
  Bottom w8: v1(711.06,1866.46) v2(791.06,1866.46)
SD_STP: IC200.57 P1.17 | length 1204.4
  Top w7.1: v2(791.06,1840.46) 897.59,1840.46 933.37,1804.67 IC200.57@958.66,1804.61 IC200.57@958.66,1804.61
  Top w8: P1.17@113.5,1423.23 130.63,1423.23 177.06,1469.65 612.17,1469.65 690.06,1547.53 v1(690.06,1840.46)
  Bottom w8: v1(690.06,1840.46) v2(791.06,1840.46)
SPI2_MISO: P1.28 P2.28 | length 1789.5
  Top w8: v2(1991.85,1972.62) P2.28@2041.24,1923.23
  Top w10: P1.28@358.94,1923.23 382.56,1923.23 462.56,2003.23 v2(527.94,2003.23)
  MID w10: v2(527.94,2003.23) 540.63,2003.23 554.02,2016.62 1025.33,2016.62 1033.94,2025.23 1065.94,2025.23 1074.55,2016.62 1275.55,2016.62 1288.94,2003.23 1683.24,2003.23 1741.24,1945.23 1851.49,1945.23 1878.89,1972.62 v2(1991.85,1972.62)
SPI2_MOSI: P1.29 P2.29 | length 1748.4
  Top w10: P1.29@113.5,2023.23 131,2023.23 169,2061.23 v2(527.94,2061.23) ; v2(1747.94,2066.23) 1790.94,2023.23 P2.29@1806.41,2023.23
  MID w10: v2(527.94,2061.23) 540.48,2061.23 548.48,2053.23 724.94,2053.23 753.94,2082.23 1731.94,2082.23 v2(1747.94,2066.23)
SPI2_nSCS: P1.24 P2.24 | length 1856.2
  Top w8: P1.24@358.94,1723.23 471.63,1723.23 v2(668.06,1919.65) ; v2(1989.94,1773.23) 2039.94,1723.23 P2.24@2051.85,1723.23
  MID w8: v2(668.06,1919.65) 668.06,1919.23 668.48,1919.65 1049.53,1919.65 1092.85,1876.33 1594.56,1876.33 1697.66,1773.23 v2(1989.94,1773.23)
SPI2_SCK: P1.27 P2.27 | length 1811.5
  Top w10: P1.27@113.5,1923.23 131,1923.23 172,1964.23 377.31,1964.23 446.31,2033.23 v2(529.03,2033.23) ; v2(1749.94,1966.23) 1792.94,1923.23 P2.27@1806.41,1923.23
  MID w10: v2(529.03,2033.23) 729.65,2033.23 731.65,2035.23 731.81,2035.07 762.96,2066.23 1649.94,2066.23 v2(1749.94,1966.23)
SPI_ADC_CSN: P2.30
SPI_ADC_MISO: P2.33
SPI_ADC_MOSI: P2.32
SPI_ADC_SCK: P2.31
SPI_MISO: IC200.9 IC201.2 P1.33 | length 2970
  Top w7.1: v2(1106.3,1399.45) IC200.9@1106.3,1483.74
  Top w8: IC201.2@339.01,415.94 393.1,415.94 v2(393.7,416.53)
  Top w10: P1.33@113.5,2223.23 127.24,2223.23 166.85,2183.62 v2(231.85,2183.62)
  MID w8: v2(231.85,2183.62) 308.55,2183.62 412.5,2079.66 412.5,2007.52 695.54,1724.48 695.54,1648.81 874.12,1470.23 1037.81,1470.23 1106.3,1401.73 v2(1106.3,1399.45)
  Bottom w8: v2(393.7,416.53) 507.87,530.71 507.87,1021.93 835.55,1349.61 1058.74,1349.61 1106.3,1397.17 v2(1106.3,1399.45)
SPI_MOSI: IC200.8 IC201.5 P1.32 | length 2621.2
  Top w7.1: IC201.5@553.58,315.94 557.58,319.94 583.62,319.94 625.06,361.37 625.06,758.65 873.06,1006.65 1008.23,1006.65 1094.49,1092.91 1094.49,1324.46 1080.3,1338.65 v2(1080.3,1399.45) 1080.3,1417.4 1090.55,1427.65 IC200.8@1090.55,1483.74
  Top w8: v2(358.94,2086.23) P1.32@358.94,2123.23
  MID w8: v2(358.94,2086.23) 358.94,2041.29 681.54,1718.68 681.54,1643.01 903.1,1421.45 1002.22,1421.45 1014.22,1433.45 1048.58,1433.45 1080.3,1401.73 v2(1080.3,1399.45)
SPI_nSCS: IC200.6 P1.30 | length 1096.3
  Top w7.1: v2(1028.3,1399.45) 1028.3,1404.99 1059.06,1435.75 IC200.6@1059.06,1483.74
  Top w8: v2(358.94,1985.23) P1.30@358.94,2023.23
  MID w8: v2(358.94,1985.23) 375.4,1985.23 653.54,1707.09 653.54,1631.41 891.5,1393.45 1013.81,1393.45 1019.81,1399.45 v2(1028.3,1399.45)
SPI_SCK: IC200.7 IC201.6 P1.31 | length 2737
  Top w7.1: IC201.6@553.58,365.94 576.34,365.94 604.06,393.65 604.06,765.94 864.77,1026.65 998.26,1026.65 1073.06,1101.45 1073.06,1317.61 1054.3,1336.37 v2(1054.3,1399.45) 1054.3,1411.19 1074.8,1431.7 IC200.7@1074.8,1483.74
  Top w10: P1.31@113.5,2123.23 132.24,2123.23 165.93,2089.54 230.93,2089.54 v2(231.85,2088.62)
  MID w8: v2(231.85,2088.62) 291.81,2088.62 667.54,1712.88 667.54,1637.21 897.3,1407.45 1008.02,1407.45 1020.02,1419.45 1036.58,1419.45 1054.3,1401.73 v2(1054.3,1399.45)
STATUS: IC200.12 P1.13 | length 1255.9
  Top w7.1: IC200.12@1153.54,1483.74 1153.54,1438.54 1183.46,1408.62 v2(1191.85,1408.62)
  Top w8: P1.13@113.5,1223.23 126.8,1223.23 175.22,1271.65 v2(179.06,1271.65)
  MID w8: v2(179.06,1271.65) 390.06,1271.65 496.06,1377.65 1169.16,1377.65 1191.85,1400.34 v2(1191.85,1408.62)
UART_RXD: IC200.10 P1.39 P200.3 | length 2359.7
  Top w7.1: IC200.10@1122.05,1483.74 1122.05,1411.99 1126.3,1407.73 1126.3,1405.45 v2(1132.3,1399.45) 1458.52,1073.23 P200.3@1606.41,1073.23
  Top w8: P1.39@113.5,2523.23 133.94,2523.23 174.94,2482.23 v2(174.94,2479.23)
  MID w8: v2(174.94,2479.23) 182.94,2479.23 358.06,2304.11 358.06,2154.85 426.5,2086.4 426.5,2013.32 709.54,1730.28 709.54,1654.61 879.92,1484.23 1049.81,1484.23 1132.3,1401.73 v2(1132.3,1399.45)
UART_TXD: IC200.11 P1.40 P200.2 | length 2197
  Top w7.1: IC200.11@1137.8,1483.74 1137.8,1422.24 1158.27,1401.76 v2@1161.85,1401.76 ; v2(1161.85,1398.62) v2@1161.85,1401.76 ; P200.2@1606.41,1173.23 1390.38,1173.23 v2@1161.85,1401.76
  Top w8: v2(358.94,2473.23) P1.40@358.94,2523.23
  MID w8: v2(358.94,2473.23) 372.06,2460.11 372.06,2160.65 440.5,2092.2 440.5,2019.12 723.54,1736.08 723.54,1660.41 885.72,1498.23 1061.81,1498.23 1161.41,1398.62 v2(1161.85,1398.62)
pads on no net: IC201.7 P1.14 P1.16 P1.25 P1.26 P1.34 P1.36 P1.38 P1.HOLE P2.8 P2.9 P2.10 P2.25 P2.HOLE P201.2 TVS300.6 TVS301.6 TVS302.6 TVS303.6 XTL200.1

## Polygon pours and split planes (outlines as drawn)
GND on MID "Top-No Net" (solid, pour order 13): 0,157.48 0,3188.98 cw(c157.48,3188.98) 157.48,3346.46 2007.87,3346.46 cw(c2007.88,3188.98) 2165.35,3188.98 2165.35,157.48 cw(c2007.87,157.48) 2007.87,0 157.48,0 cw(c157.48,157.48)
GND on Bottom "Top-No Net" (solid, pour order 4): 0,157.48 0,3188.98 cw(c157.48,3188.98) 157.48,3346.46 2007.87,3346.46 cw(c2007.88,3188.98) 2165.35,3188.98 2165.35,157.48 cw(c2007.87,157.48) 2007.87,0 157.48,0 cw(c157.48,157.48)
+3V3 on VM "+3V3_L04_P005" (solid, pour order 5): 0,157.48 0,3188.98 cw(c157.48,3188.98) 157.48,3346.46 2007.87,3346.46 cw(c2007.88,3188.98) 2165.35,3188.98 2165.35,157.48 cw(c2007.87,157.48) 2007.87,0 157.48,0 cw(c157.48,157.48)
GND on Top "Top-No Net" (solid, pour order 3): 0,157.48 0,3188.98 cw(c157.48,3188.98) 157.48,3346.46 2007.87,3346.46 cw(c2007.88,3188.98) 2165.35,3188.98 2165.35,157.48 cw(c2007.87,157.48) 2007.87,0 157.48,0 cw(c157.48,157.48)
+3V3 on Top "+3V3_L01_P008" (solid, pour order 0): 303.15,2889.76 295.28,2897.64 55.12,2897.64 39.37,2913.39 39.37,2956.69 55.12,2972.44 125.98,2972.44 125.98,3037 137.8,3048.82 228.35,3048.82 259.84,3080.31 259.84,3141.73 437.01,3141.73 452.76,3125.98 452.76,2940.95 405.51,2893.7 405.51,2787.4 389.76,2771.65 320.47,2771.65 303.15,2788.97
no net on Top Overlay "Top-No Net" (solid, pour order 2): 844.2,106.34 844.2,208 -0.8,208 -0.8,144.67 5.8,106.34
no net on Top Overlay "Top-No Net" (solid, pour order 1): 1321.15,106.34 1321.15,208 2166.15,208 2166.15,144.67 2159.55,106.34
GND on GND1 (split plane): 2018.25,3334.08 2028.58,3332.97 2038.8,3331.13 2048.86,3328.56 2058.71,3325.28 2068.31,3321.3 2077.59,3316.66 2086.52,3311.36 2095.05,3305.44 2103.14,3298.92 2110.74,3291.84 2117.82,3284.24 2124.33,3276.16 2130.25,3267.63 2135.55,3258.7 2140.2,3249.41 2144.18,3239.82 2147.45,3229.96 2150.02,3219.9 2151.87,3209.68 2152.98,3199.36 2153.33,3189.35 2153.3,3188.98 2153.3,3188.97 2153.3,157.48 2153.33,157.1 2152.98,147.1 2151.87,136.78 2150.02,126.56 2147.45,116.5 2144.17,106.64 2140.2,97.05 2135.55,87.76 2130.25,78.83 2124.33,70.3 2117.81,62.22 2110.74,54.62 2103.14,47.54 2095.05,41.02 2086.52,35.1 2077.59,29.8 2068.3,25.15 2058.71,21.18 2048.86,17.9 2038.79,15.33 2028.57,13.49 2018.25,12.38 2008.25,12.02 2007.87,12.06 157.48,12.06 157.1,12.02 147.1,12.38 136.78,13.49 126.56,15.33 116.49,17.9 106.64,21.18 97.05,25.15 87.76,29.8 78.83,35.1 70.3,41.02 62.22,47.54 54.61,54.62 47.54,62.22 41.02,70.3 35.1,78.83 29.8,87.76 25.15,97.05 21.18,106.64 17.9,116.5 15.33,126.56 13.49,136.78 12.38,147.1 12.02,157.1 12.06,157.48 12.06,3188.98 12.02,3189.35 12.38,3199.35 13.49,3209.68 15.33,3219.9 17.9,3229.96 21.18,3239.81 25.15,3249.41 29.8,3258.69 35.1,3267.63 41.02,3276.16 47.54,3284.24 54.61,3291.84 62.21,3298.92 70.3,3305.43 78.83,3311.36 87.76,3316.65 97.05,3321.3 106.64,3325.28 116.49,3328.56 126.56,3331.12 136.78,3332.97 147.1,3334.08 157.11,3334.44 157.48,3334.4 157.49,3334.4 2007.87,3334.4 2008.25,3334.44
GND on GND2 (split plane): 2018.25,3334.08 2028.58,3332.97 2038.8,3331.13 2048.86,3328.56 2058.71,3325.28 2068.31,3321.3 2077.59,3316.66 2086.52,3311.36 2095.05,3305.44 2103.14,3298.92 2110.74,3291.84 2117.82,3284.24 2124.33,3276.16 2130.25,3267.63 2135.55,3258.7 2140.2,3249.41 2144.18,3239.82 2147.45,3229.96 2150.02,3219.9 2151.87,3209.68 2152.98,3199.36 2153.33,3189.35 2153.3,3188.98 2153.3,3188.97 2153.3,157.48 2153.33,157.1 2152.98,147.1 2151.87,136.78 2150.02,126.56 2147.45,116.5 2144.17,106.64 2140.2,97.05 2135.55,87.76 2130.25,78.83 2124.33,70.3 2117.81,62.22 2110.74,54.62 2103.14,47.54 2095.05,41.02 2086.52,35.1 2077.59,29.8 2068.3,25.15 2058.71,21.18 2048.86,17.9 2038.79,15.33 2028.57,13.49 2018.25,12.38 2008.25,12.02 2007.87,12.06 157.48,12.06 157.1,12.02 147.1,12.38 136.78,13.49 126.56,15.33 116.49,17.9 106.64,21.18 97.05,25.15 87.76,29.8 78.83,35.1 70.3,41.02 62.22,47.54 54.61,54.62 47.54,62.22 41.02,70.3 35.1,78.83 29.8,87.76 25.15,97.05 21.18,106.64 17.9,116.5 15.33,126.56 13.49,136.78 12.38,147.1 12.02,157.1 12.06,157.48 12.06,3188.98 12.02,3189.35 12.38,3199.35 13.49,3209.68 15.33,3219.9 17.9,3229.96 21.18,3239.81 25.15,3249.41 29.8,3258.69 35.1,3267.63 41.02,3276.16 47.54,3284.24 54.61,3291.84 62.21,3298.92 70.3,3305.43 78.83,3311.36 87.76,3316.65 97.05,3321.3 106.64,3325.28 116.49,3328.56 126.56,3331.12 136.78,3332.97 147.1,3334.08 157.11,3334.44 157.48,3334.4 157.49,3334.4 2007.87,3334.4 2008.25,3334.44

## Keep-outs
Keep-Out Layer:
  the board outline again, w1

## Silkscreen, mask and mechanical layers (free items; w line width, h text height)
Top Overlay:
  lines w11.81: 712.6,1013.98 1358.27,1013.98 1358.27,2427.65 712.6,2427.65 712.6,1013.98
  text "GND" at 715.18,3192.52 h35 r270
  text "REF_L" at 815.18,3192.52 h35 r270
  text "REF_H" at 915.18,3192.52 h35 r270
  text "REF_R" at 1015.18,3192.52 h35 r270
  text "GND" at 1215.18,3192.52 h35 r270
  text "HALL_UX" at 1315.18,3192.52 h35 r270
  text "HALL_V" at 1415.18,3192.52 h35 r270
  text "HALL_WY" at 1515.18,3192.52 h35 r270
  text "+5V" at 615.18,3192.13 h35 r270
  text "+5V" at 1115.18,3192.13 h35 r270
  text "GND" at 715.68,2782.17 h35 r270
  text "ENC2_A" at 815.68,2782.17 h35 r270
  text "ENC2_B" at 915.68,2782.17 h35 r270
  text "ENC2_N" at 1015.68,2782.17 h35 r270
  text "+5V" at 1115.18,2782.17 h35 r270
  text "GND" at 1215.18,2782.17 h35 r270
  text "ENC1_A" at 1315.68,2782.17 h35 r270
  text "ENC1_B" at 1415.68,2782.17 h35 r270
  text "ENC1_N" at 1515.68,2782.17 h35 r270
  text "+5V" at 615.68,2781.78 h35 r270
  text "PWM" at 408.94,1655.91 h31.5
  text "GND" at 408.94,1559.06 h31.5
  text "GND" at 1665.86,1257.49 h31.5
  text "TXD" at 1665.86,1157.49 h31.5
  text "RXD" at 1665.86,1057.49 h31.5
  text "RTM" at 854.33,1034.64 h40
  text "UART" at 1539.37,959.05 h40
  text "GND" at 698.42,374.96 h31.5 r90
  text "AGPI_A" at 798.42,374.96 h31.5 r90
  text "GND" at 898.42,374.96 h31.5 r90
  text "AGPI_B" at 998.42,374.96 h31.5 r90
  text "+5V" at 1198.42,374.96 h31.5 r90
  text "GND" at 1298.42,374.96 h31.5 r90
  text "AENC_UX" at 1398.42,374.96 h31.5 r90
  text "AENC_VN" at 1498.42,374.97 h31.5 r90
  text "AENC_WY" at 1598.42,374.96 h31.5 r90
  text "GND" at 1698.42,374.96 h31.5 r90
  text "BRAKE" at 1798.42,374.96 h31.5 r90
  text "'.BoardName'" at 295.28,51.87 h40.15
  text "v'.BoardVersion'" at 1730.23,51.87 h40.15
Bottom Overlay:
  drawing of 35 lines, arcs and shapes, not listed
  text "www.TRINAMIC.com" at 1635.68,1355.46 h65
  text "TMC-Evaluation-Platform:" at 1536.34,1276.84 h40.15
  text "'.BoardName'" at 1496.97,1182.36 h53.54
  text "Interfaces:" at 1536.34,1115.43 h40.15
  text "'.Interfaces'" at 1496.97,1036.69 h53.54
  text "v'.BoardVersion'" at 1588.94,453.23 h66.93
  text "+3V3" at 414.06,255.91 h30 r30
  text "GPIO0" at 535.23,158.92 h23.62 r30
  text "GPIO1" at 630.77,158.92 h23.62 r30
  text "GPIO2" at 726.31,158.92 h23.62 r30
  text "DBG_SPI_nSCS" at 821.85,158.92 h23.62 r30
  text "DBG_SPI_SCK" at 917.38,158.92 h23.62 r30
  text "DBG_SPI_TRG" at 1012.92,158.92 h23.62 r30
  text "DBG_SPI_MISO" at 1108.46,158.92 h23.62 r30
  text "DBG_SPI_TRG" at 1204,158.92 h23.62 r30
  text "AENC_UX_INN" at 1299.54,158.92 h23.62 r30
  text "AENC_VN_INN" at 1395.07,158.92 h23.62 r30
  text "AENC_WY_INN" at 1490.61,158.92 h23.62 r30
  text "ADC_I1_INN" at 1586.15,158.92 h23.62 r30
  text "ADC_I0_INN" at 1681.69,158.92 h23.62 r30
  text "+5V" at 445.05,149.98 h30 r30
  text "GND" at 1782.58,149.98 h30 r30

## Dimensions
157.48,0 to 157.48,3346.46 on Dimension
2165.35,157.48 to 0,157.48 on Dimension